# Altium PCB TinyHawk_PCB.PcbDoc (part 1 of 6)
Units mil, origin at the board's own origin, x right, y up, seen from the top; angles counter-clockwise.
Board outline 3399.79 x 3628.14 mil, 6 copper layers (Top Layer, Ground, Signal Layer 2, Signal Layer 1, Power, Bottom Layer), stack 58.153 mil thick; 370 components, 355 nets, 1615 pads, 674 vias.
Unrouted connection lines stored in the file: 1.
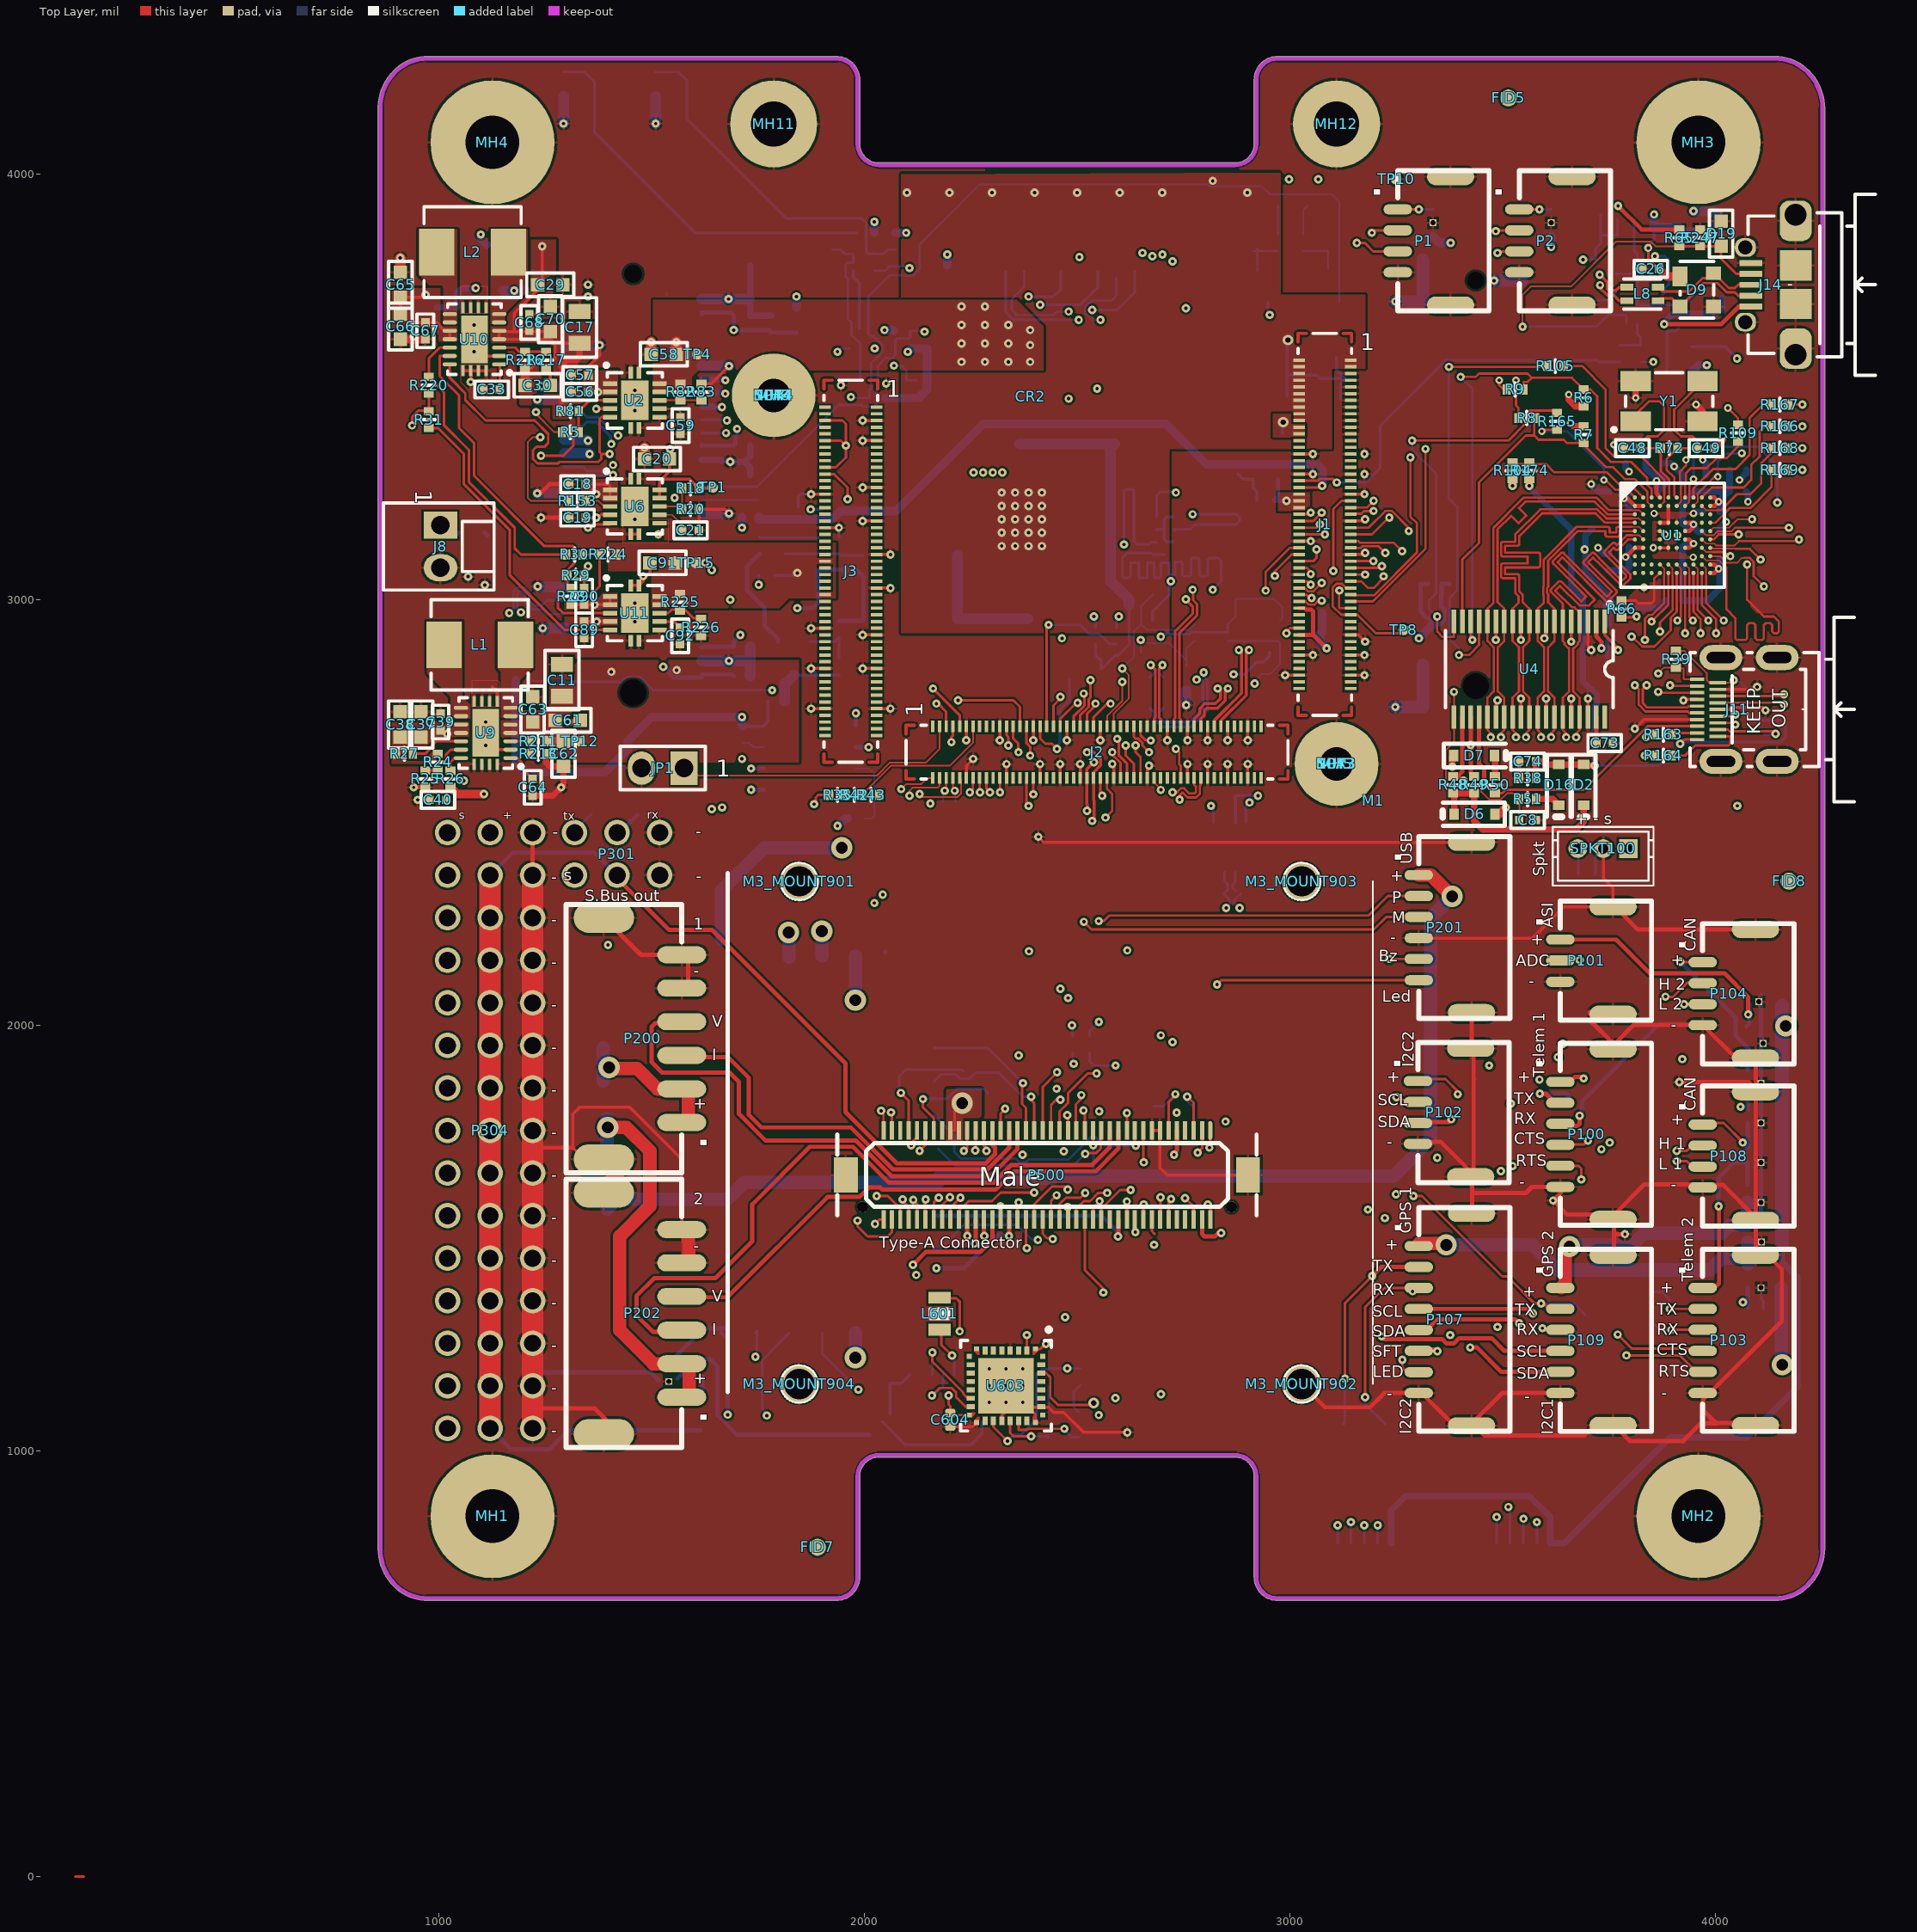
[diagram p0: Top Layer view]
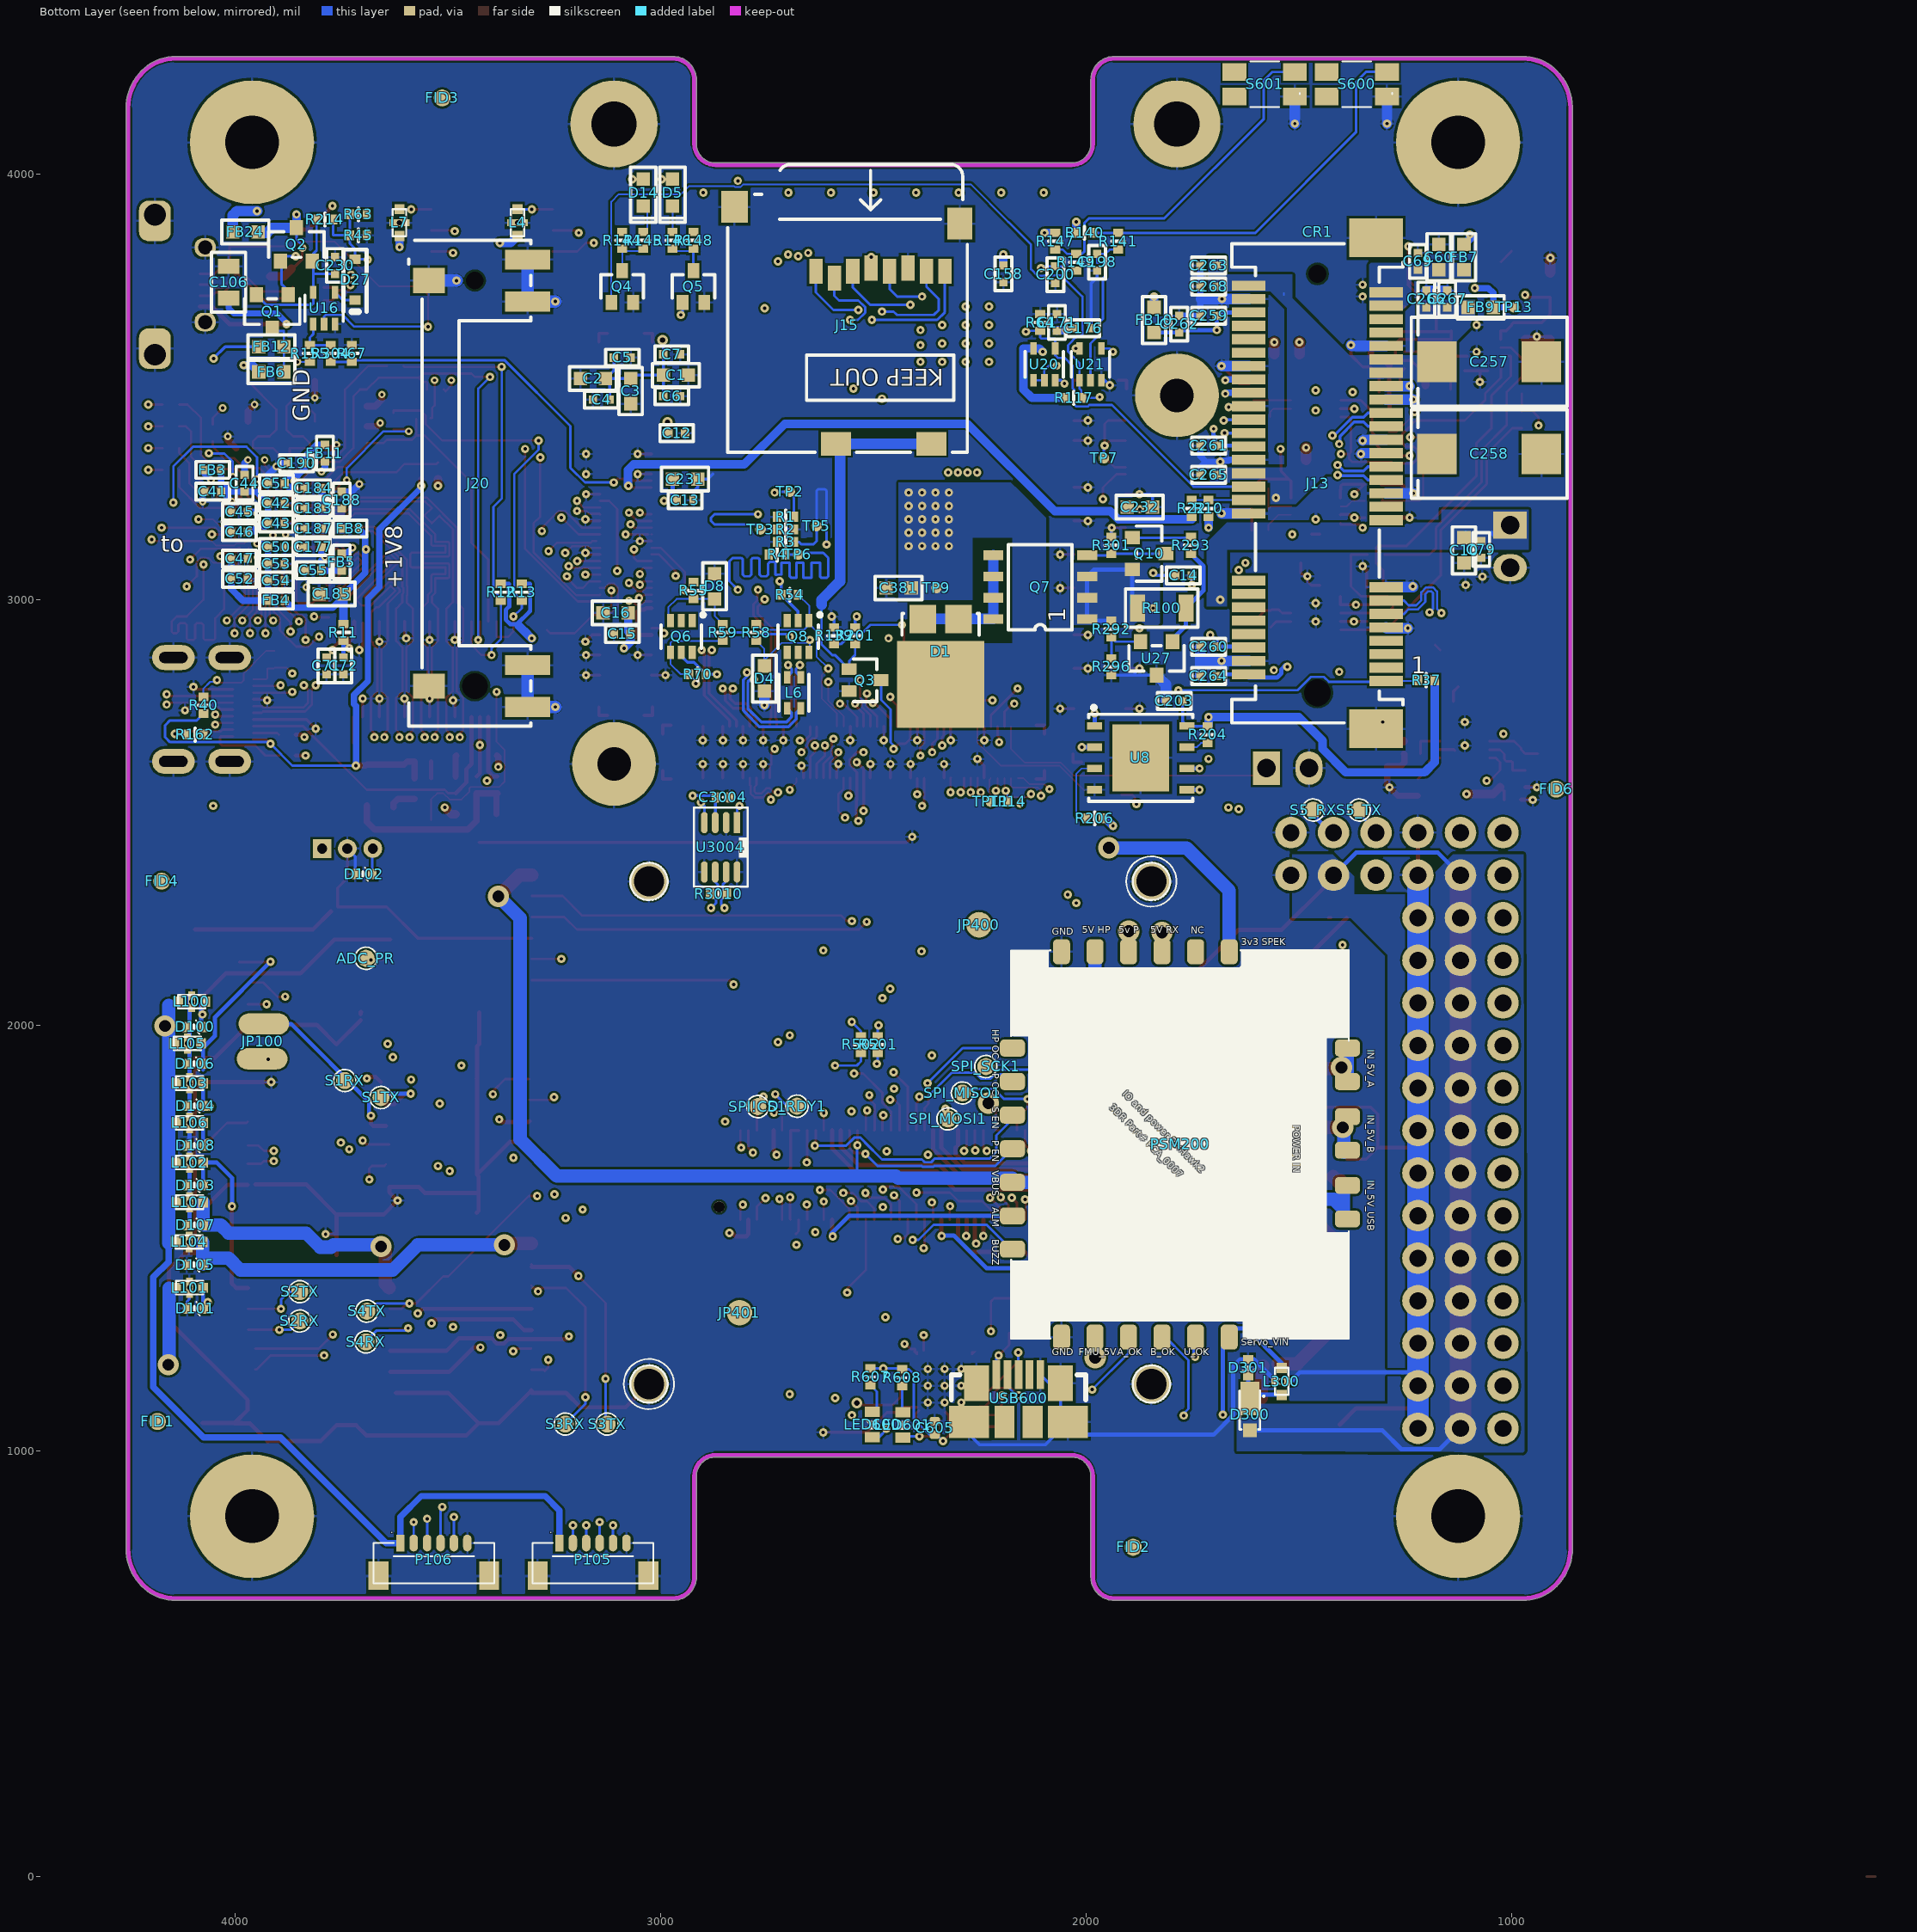
[diagram p1: Bottom Layer view, seen from below]
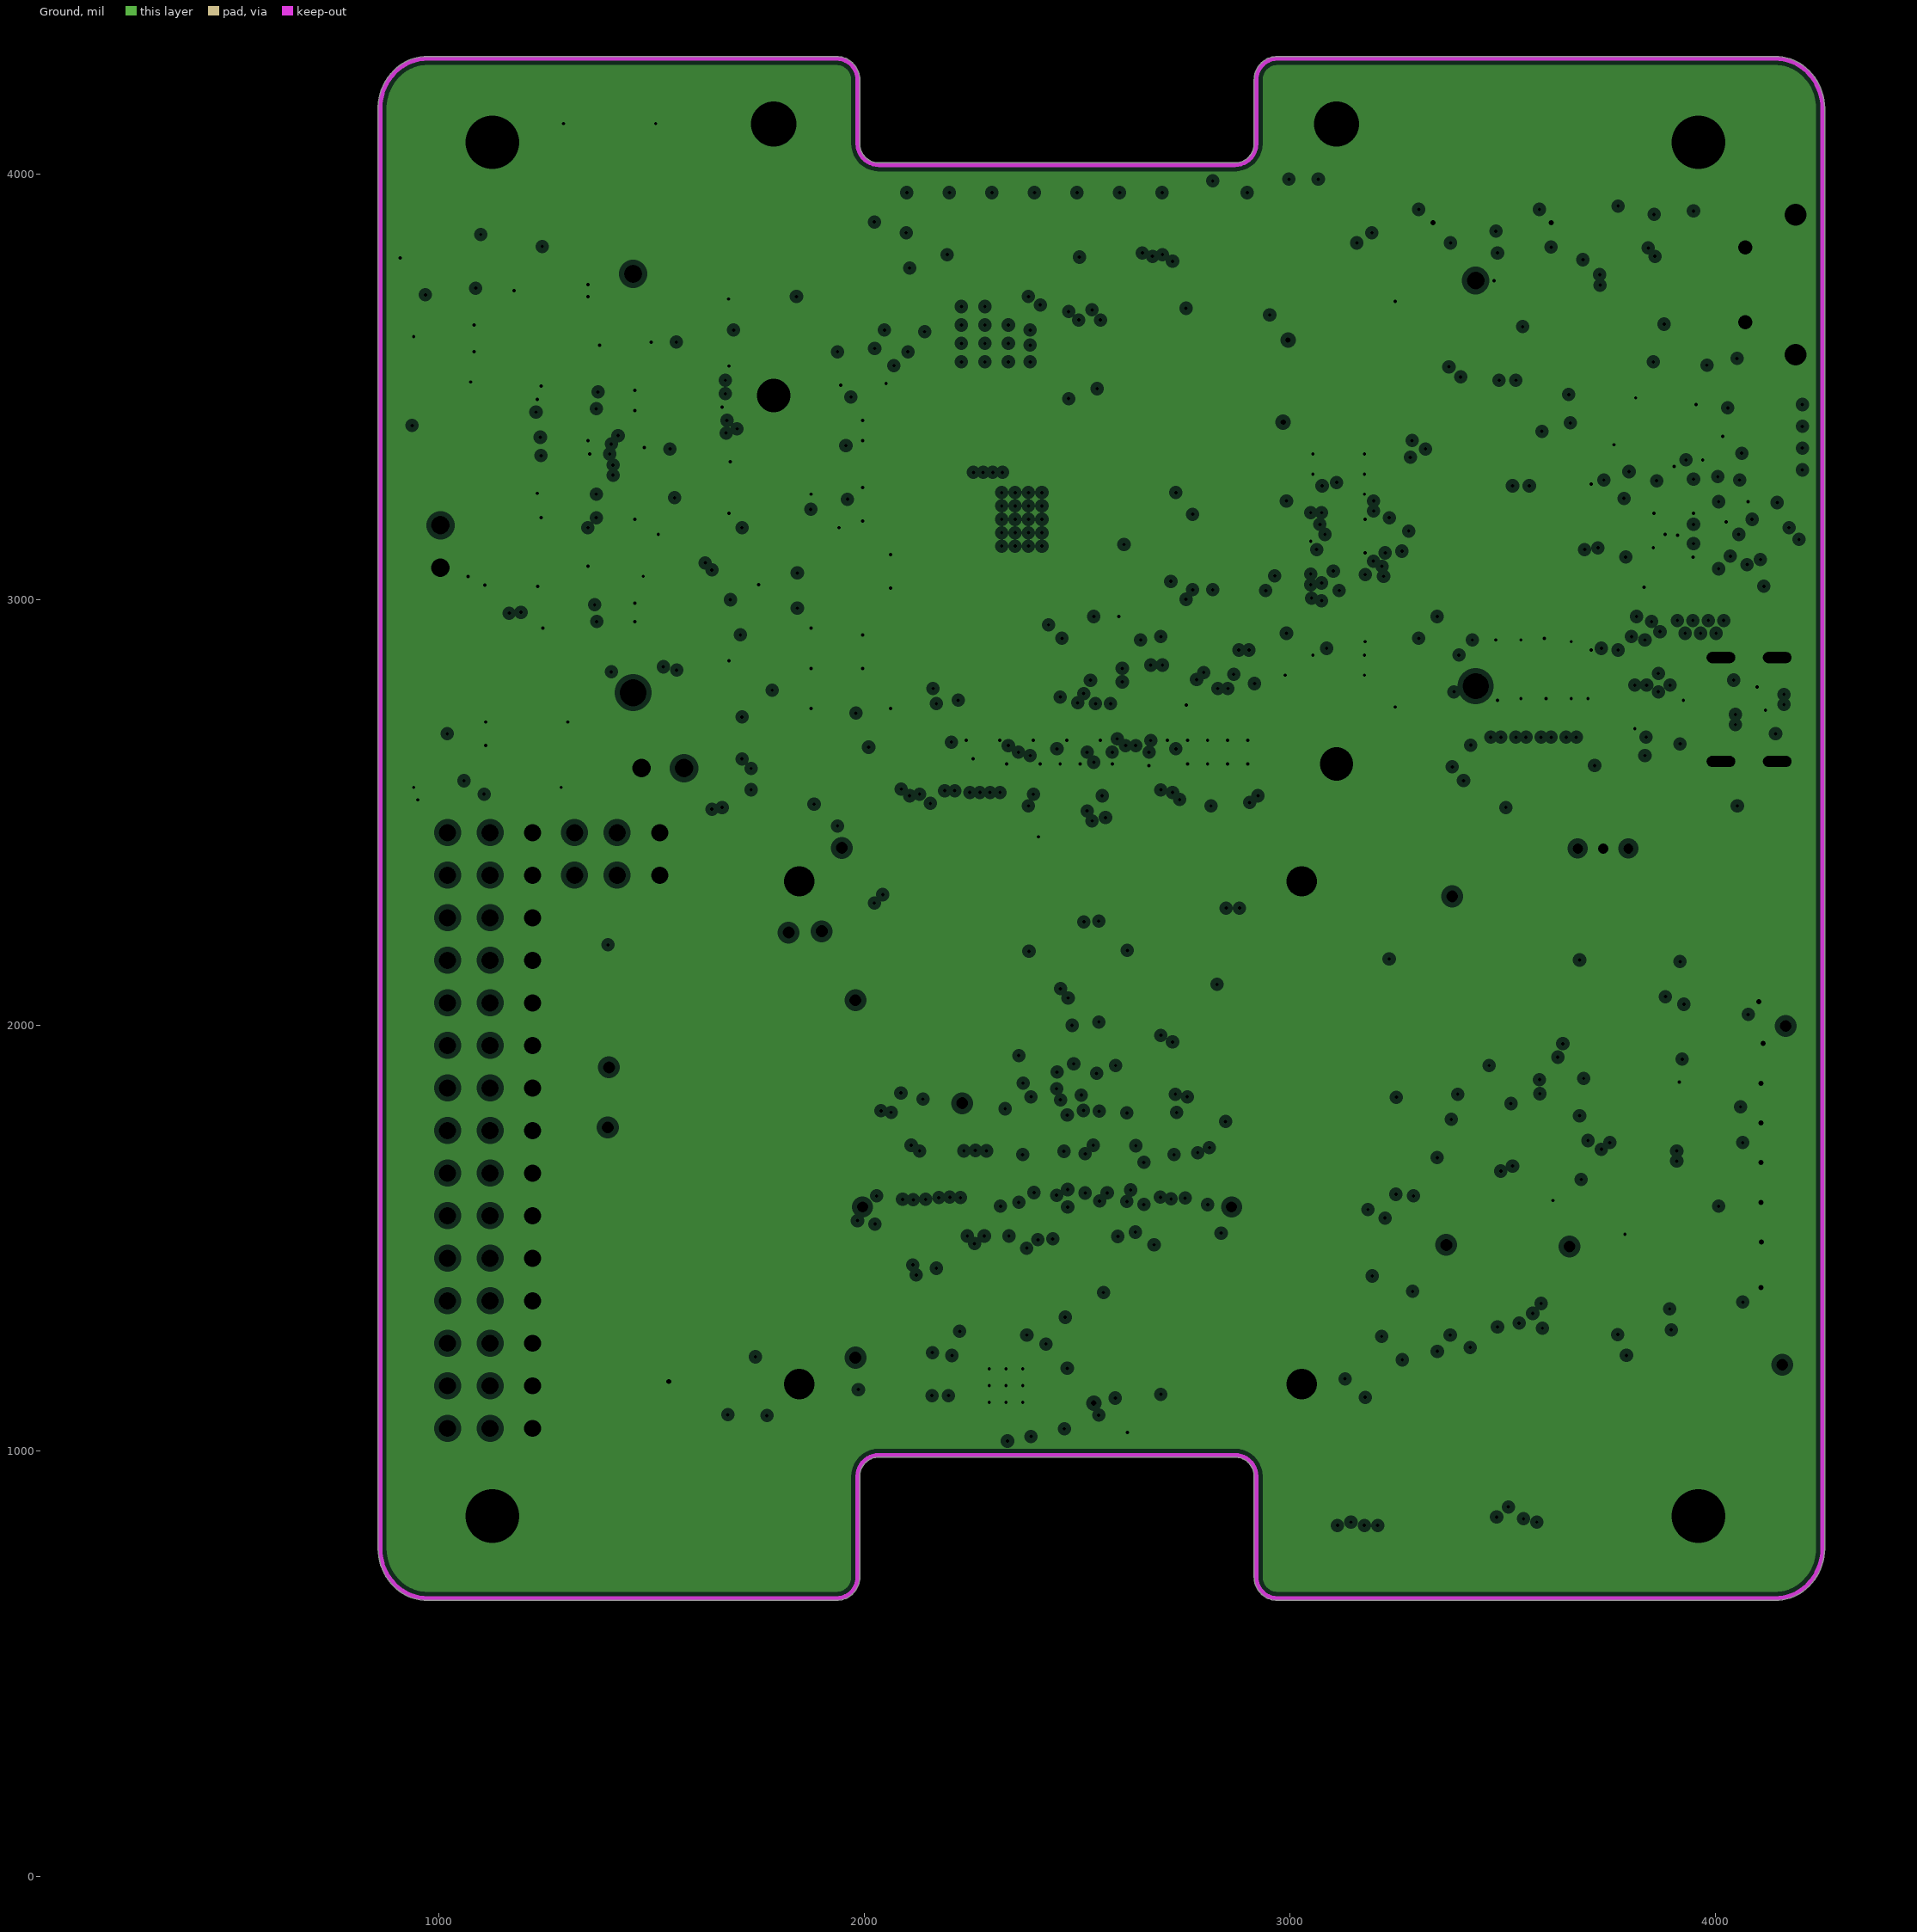
[diagram p2: Ground, clearances drawn from the general rule]
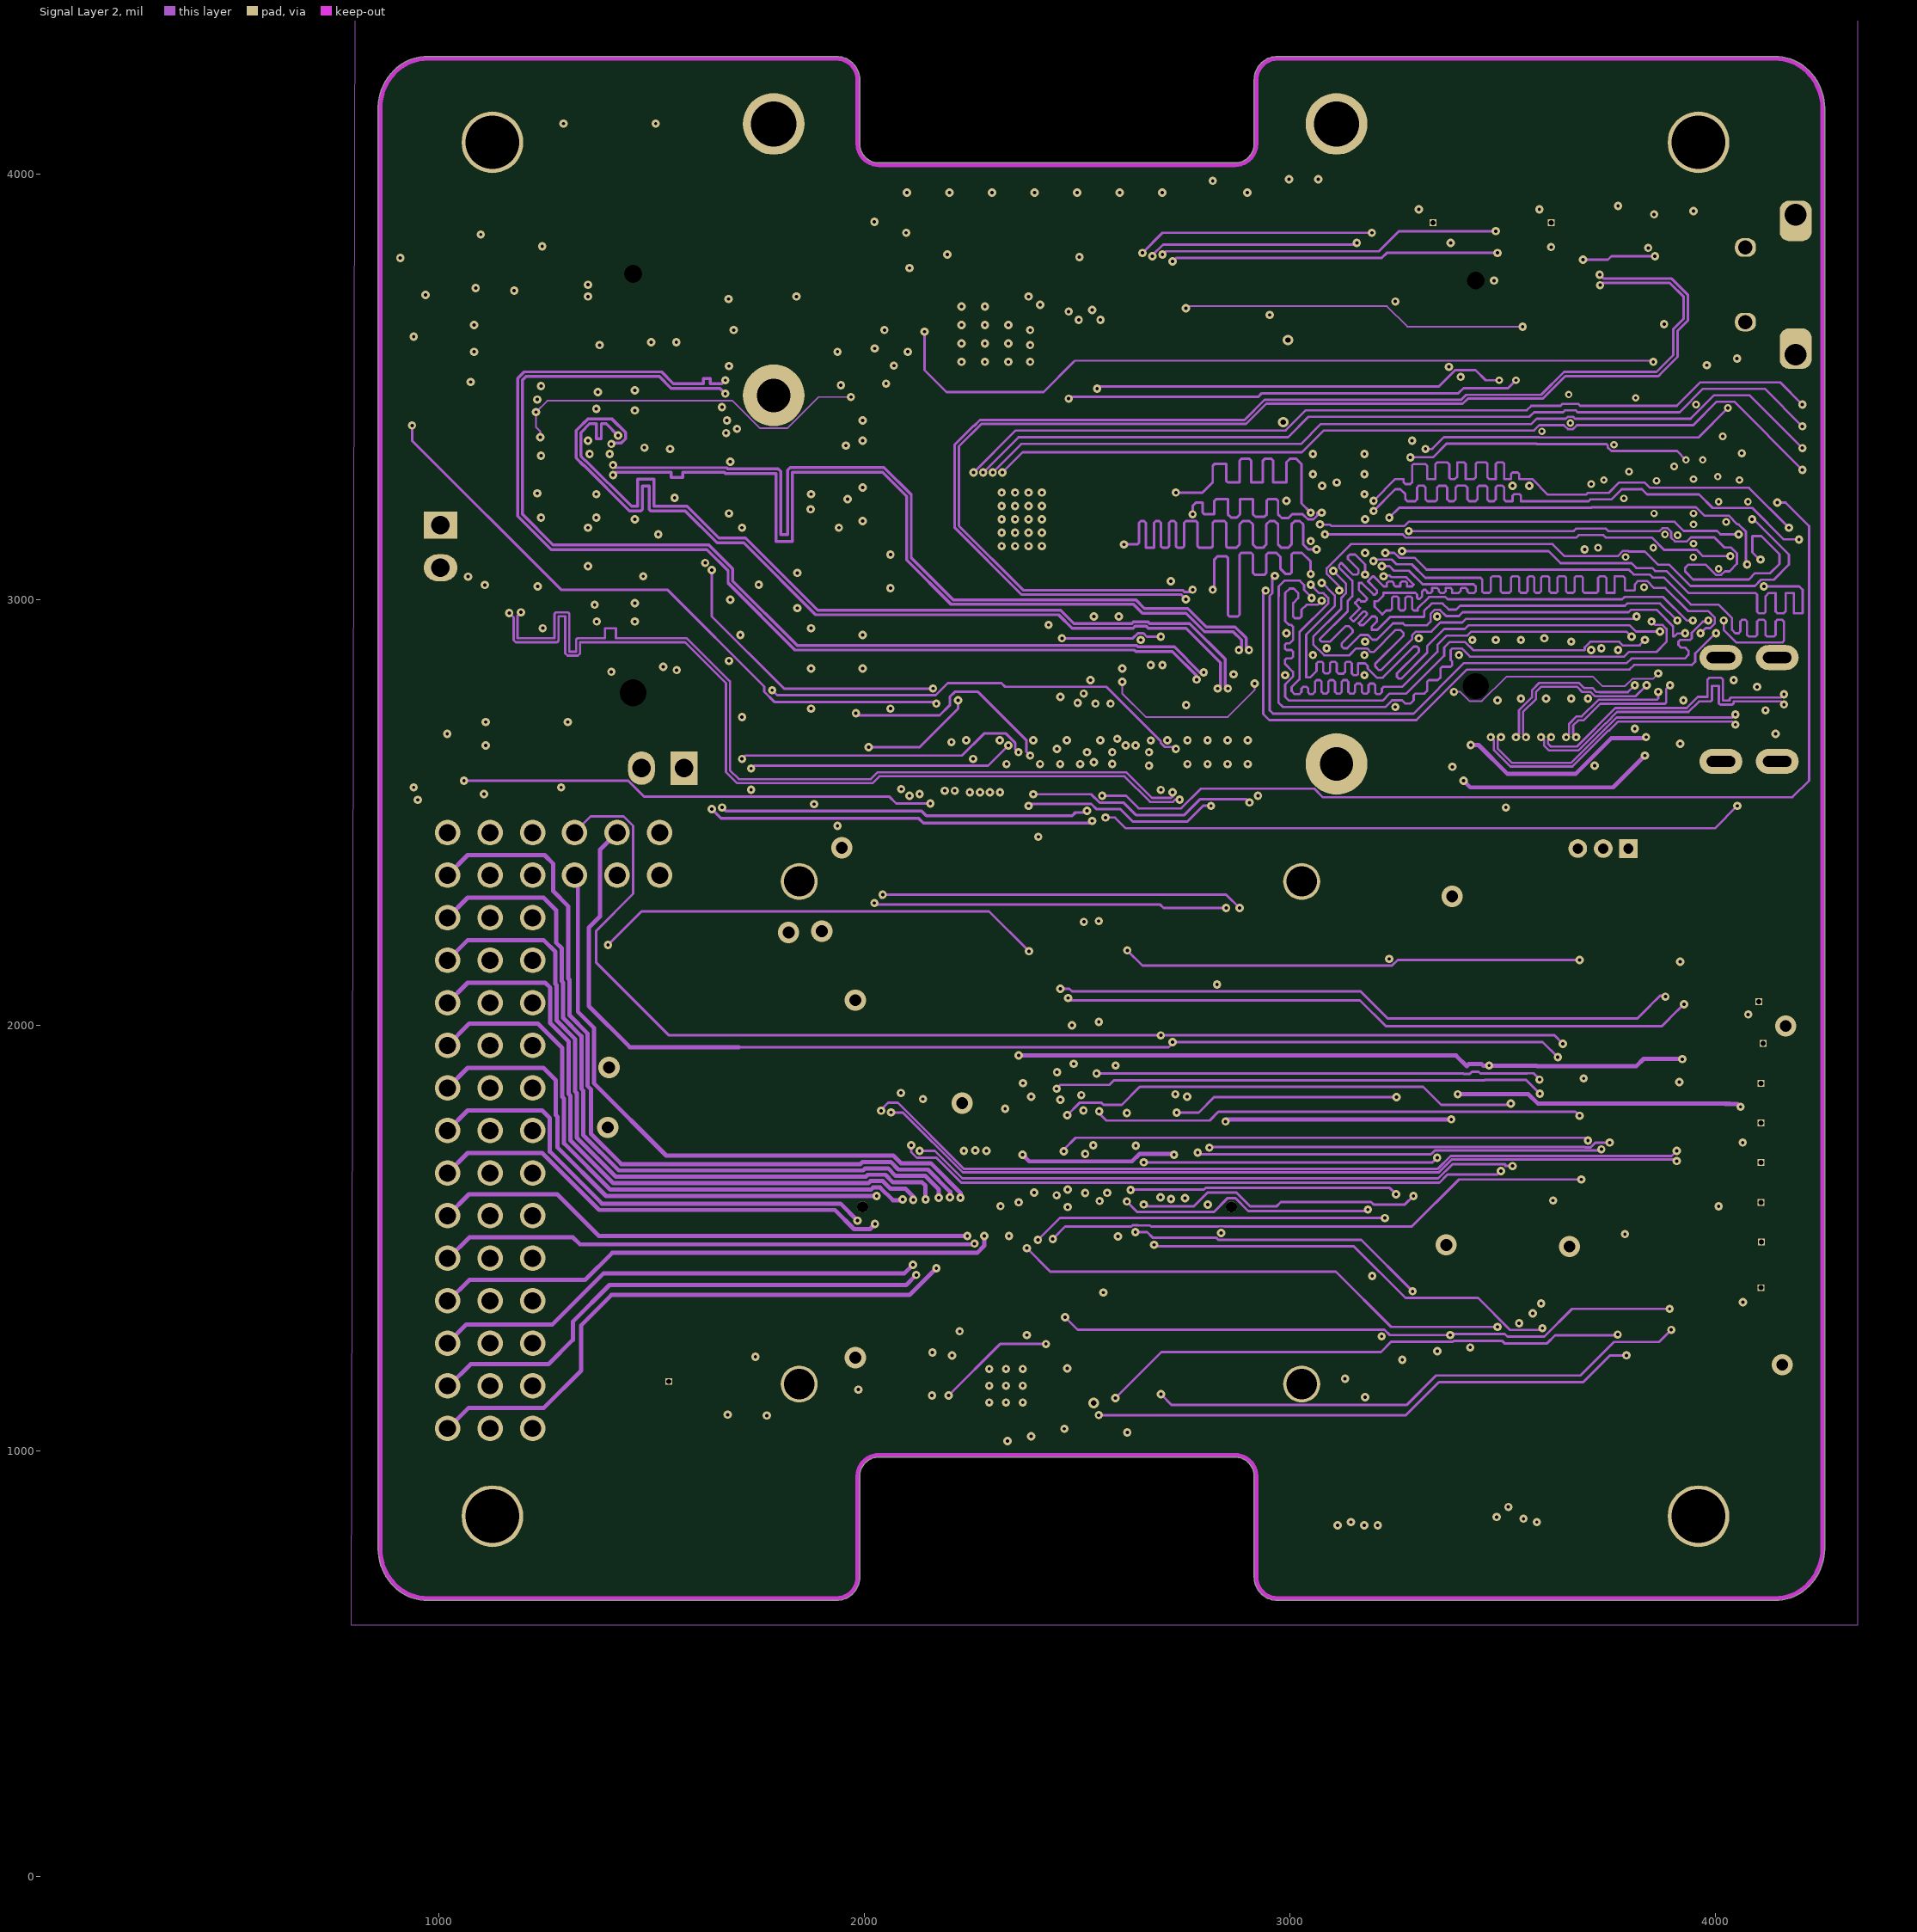
[diagram p3: Signal Layer 2]